# Altium PCB Archimajor.PcbDoc (part 4 of 13)
Units mil, origin at the board's own origin, x right, y up, seen from the top; angles counter-clockwise.
Board outline 7480.32 x 5511.81 mil, 6 copper layers (Top Layer, Top GND, Power Plane, Mid1, Bot GND, Bottom Layer), stack 69.913 mil thick; 1038 components, 682 nets, 3229 pads, 2870 vias.
Unrouted connection lines stored in the file: 97.
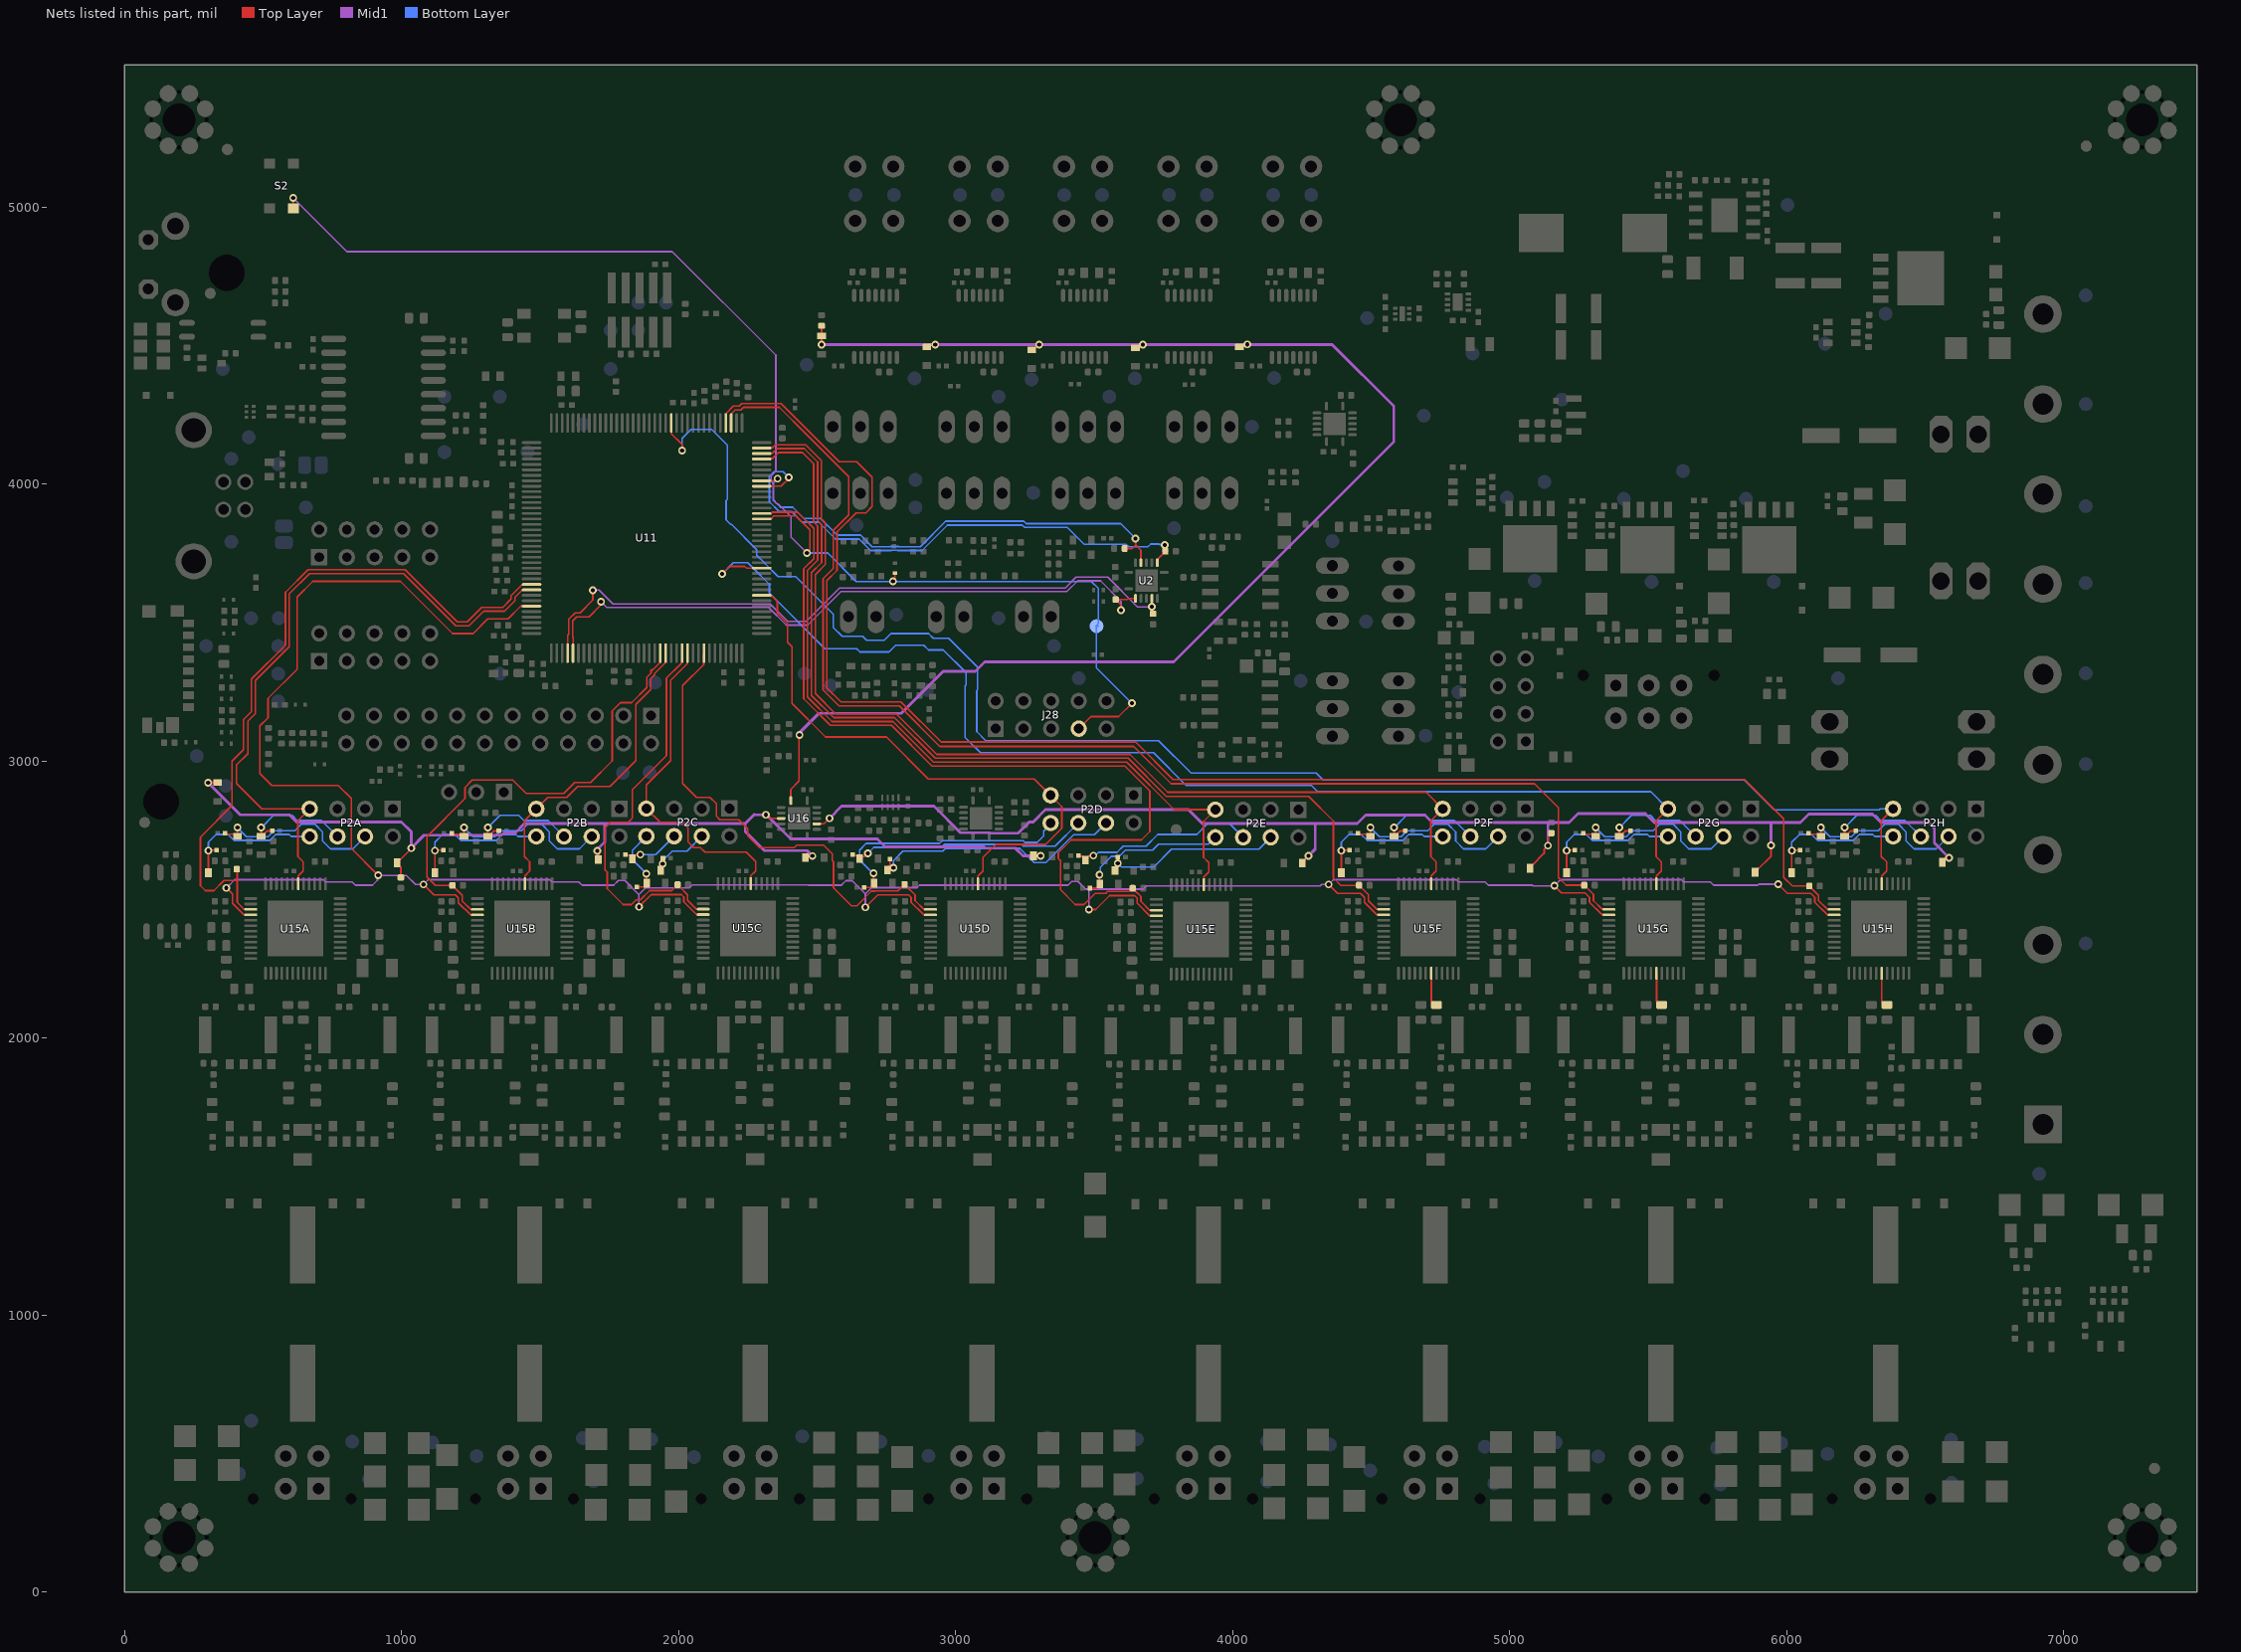
[diagram p8: the nets of this part, all layers, seen from the top]

## Via types
v1: diameter 28, hole 15, Top Layer to Bottom Layer, tented both sides, 2412 vias
v2: diameter 22, hole 10, Top Layer to Bottom Layer, 302 vias
v3: diameter 28, hole 15, Top Layer to Bottom Layer, 113 vias
v4: diameter 29, hole 15, Top Layer to Bottom Layer, tented both sides, 16 vias
v5: diameter 30, hole 15, Top Layer to Bottom Layer, 16 vias
v6: diameter 22, hole 10, Top Layer to Bottom Layer, tented both sides, 11 vias

## Nets (pads, with @x,y where several pads share a name; then routed paths per layer and width w, separated by ;. In a path a pad name is that pad's centre, name@x,y a point inside that pad or via, vN(x,y) a via of type N, cw(c..) or ccw(c..) an arc to the next point about the centre after c; other vN are vias at no path point) (continued)
CB2F: C48F.1 U15F.43 | length 126.2
  Top Layer w7: U15F.43@4716.83,2233.68 4716.83,2132.1 4730.61,2118.32 C48F.1@4735.72,2118.32
CB2G: C48G.1 U15G.43 | length 126.2
  Top Layer w7: U15G.43@5529.83,2233.68 5529.83,2132.1 5543.61,2118.32 C48G.1@5548.72,2118.32
CB2H: C48H.1 U15H.43 | length 126.2
  Top Layer w7: U15H.43@6342.83,2233.68 6342.83,2132.1 6356.61,2118.32 C48H.1@6361.72,2118.32
CS_M1BUS: D70.A D74.A D75.A D76.A D77.A R100.2 U16.4 | length 3989.4
  Top Layer w6.5: R100.2@997.75,2579.41 997.75,2615.7 991.83,2621.62 991,2621.62 984.23,2628.38 D70.A@984.23,2632.32 984.23,2636.25 992.8,2644.82 996.73,2644.82 v1@1037.33,2685.41 ; v1(2315.59,2805.49) 2317.63,2805.49 2330.43,2792.69 U16.4@2370.56,2792.69 ; D76.A@3279.25,2653.91 3283.22,2657.89 v1(3307.09,2657.89)
  Top Layer w10.1: v1(301.88,2921.63) D77.A@336.33,2921.63 ; v1(1035.15,2685.41) v1@1037.33,2685.41 ; v1(1707.29,2675.56) 1710.46,2672.38 D74.A@1710.46,2643.88 ; D75.A@2458.36,2650.94 2464.27,2656.86 v1(2482.92,2656.86)
  Mid1 w10.1: v1(301.88,2921.63) 418.03,2805.49 596.18,2805.49 621.77,2779.9 999.72,2779.9 1035.15,2744.46 v1(1035.15,2685.41) 1081.41,2731.67 1359.96,2731.67 1368.81,2740.53 1410.15,2740.53 1443.62,2773.99 1733.97,2773.99 ; v1(1707.29,2675.56) 1707.29,2680.38 1733.97,2707.06 1733.97,2773.99 ; v1(2482.92,2656.86) 2463.59,2676.18 2310.18,2676.18 2240.86,2745.5 2240.86,2773.99 ; v1@3306.81,2655.88 3304.8,2657.89 3243.17,2657.89 3215.86,2685.19 3106.85,2685.19 3102.33,2689.71 2746.27,2689.71 2718.09,2717.89 2405.23,2717.89 2317.63,2805.49 v1(2315.59,2805.49) 2274.33,2805.49 2273.34,2806.47 2240.86,2773.99 ; 1733.97,2773.99 2240.86,2773.99
CS_M2BUS: D40.A D41.A D60.A D63.A R97.2 U16.10 | length 5014.6
  Top Layer w6.5: U16.10@2498.96,2773.01 2525.31,2773.01 v1(2545,2792.69)
  Top Layer w6.55: D40.A@5074.12,2612.42 5074.12,2616.35 5080.89,2623.12 5081.13,2623.12 5124.72,2666.71 5124.72,2680.49 v1(5138.5,2694.27) 5138.5,2727.43 5141.59,2730.52 5141.59,2730.91 5149.92,2739.24 R97.2@5150.31,2739.24 ; D41.A@5886.06,2598.61 5886.06,2602.54 5894.6,2611.08 5898.54,2611.08 5943.62,2656.16 v1(5943.62,2695.25)
  Top Layer w10.1: D60.A@4251.58,2631.04 4258.35,2637.8 4258.35,2641.87 v1(4274.33,2657.85) ; D63.A@6561.73,2634.25 6561.73,2638.18 6568.49,2644.95 6572.42,2644.95 6574.56,2647.08 6582.65,2647.08 v1(6586.08,2650.51)
  Mid1 w10.1: v1(2545,2792.69) 2588.83,2836.52 2922.42,2836.52 3017.93,2741.01 3123.58,2741.01 3125.47,2739.12 3224.93,2739.12 3265.71,2779.9 3280.23,2779.9 3324.52,2824.19 3840.27,2824.19 3890.47,2773.99 4297.95,2773.99 ; v1(4274.33,2657.85) 4297.95,2681.47 4297.95,2773.99 ; v1(5138.5,2694.27) 5138.5,2776.94 5137.51,2777.93 ; v1(5943.62,2695.25) 5943.62,2776.94 5942.63,2777.93 ; v1(6586.08,2650.51) 6533.04,2703.55 6533.04,2758.15 6513.26,2777.93 6340.27,2777.93 6309.76,2808.44 6079.44,2808.44 6048.93,2777.93 5942.63,2777.93 ; 4297.95,2773.99 4449.52,2773.99 4480.03,2804.5 4694.6,2804.5 4721.18,2777.93 5137.51,2777.93 ; 5137.51,2777.93 5214.29,2777.93 5246.77,2810.41 5489.88,2810.41 5522.36,2777.93 5942.63,2777.93
CS_TCBUS: D5.A D30.A D31.A D61.A D62.A R95.2 U16.1 | length 5333.2
  Top Layer w6.5: U16.1@2405.23,2856.89 2405.23,2897.02 2435.03,2926.82 2435.03,3092.17 v1(2436.73,3093.87)
  Top Layer w6.55: v1(2516.33,4503.32) D61.A@2516.33,4534.82 R95.2@2516.33,4570.94 ; D30.A@2896.25,4495.46 2904.13,4503.34 v1(2926.76,4503.34) ; D31.A@3275.19,4483.64 3282.08,4483.64 v1(3301.77,4503.32) ; D5.A@3649.21,4491.51 3664.09,4491.51 v1(3675.9,4503.32) ; D62.A@4024.21,4494.46 4028.07,4498.33 4047.18,4498.33 v1(4052.64,4503.79)
  Mid1 w6.55: v1(2926.76,4503.34) v1@2928.73,4505.31
  Mid1 w10.1: v1(2436.73,3093.87) 2436.73,3101.75 2506.61,3171.63 2803.85,3171.63 2955.53,3323.31 3070.69,3323.31 3105.03,3357.65 3787.14,3357.65 4582.12,4152.63 4582.12,4280.5 4359.29,4503.32 4052.64,4503.32 3682.67,4503.32 v1(3675.9,4503.32) v1(3301.77,4503.32) 2927.75,4503.32 v1@2510.43,4503.32
DIAG1: R108A.2 U11.63 U15A.27 | length 2587.1
  Top Layer w6: R108A.2@405.13,2609.29 407.38,2607.05 407.38,2566.97 ; U15A.27@456,2463.99 431.65,2463.99 421.38,2474.27 421.38,2475.55 407.38,2489.55 407.38,2566.97 ; U11.63@1469.65,3637.31 1436.08,3637.31 1395.21,3596.44 1395.21,3584.22 1365.61,3554.62 1289.09,3554.62 1237,3502.53 1201.2,3502.53 1013.2,3690.53 662.4,3690.53 581,3609.13 581,3418.13 458.58,3295.71 458.58,3177.96 429.61,3148.99 429.61,3040.24 388.78,2999.41 388.78,2839.96 274,2725.18 274,2549.78 292.24,2531.54 322.83,2531.54 359.6,2568.31 406.04,2568.31 407.38,2566.97
DIAG2: R108B.2 U11.93 U15B.27 | length 1721.7
  Top Layer w6: U15B.27@1273.91,2463.99 1249.57,2463.99 1219.63,2493.93 1219.63,2514.28 1192.68,2541.24 1192.43,2541.24 1183.68,2549.99 R108B.2@1183.68,2550.24 1122.95,2550.24 1091.91,2581.28 1091.91,2726.94 1229.16,2864.18 1229.16,2904.75 1255.91,2931.5 1401.57,2931.5 1449.8,2883.27 1585.63,2883.27 1624.89,2922.53 1682.96,2922.53 1760.47,3000.04 1760.47,3180.31 1790.2,3210.04 1830.47,3210.04 1885.06,3264.63 1885.06,3301.68 1900.53,3317.15 1900.53,3327.56 1901.81,3328.84 1907.23,3328.84 1930.43,3352.05 1930.43,3353.94 1934.21,3357.72 U11.93@1934.21,3389.28
DIAG3: R108C.2 U11.97 U15C.27 | length 1455.2
  Top Layer w6: R108C.2@1996.67,2553.19 R108C.2@1996.67,2552.95 ; U11.97@2012.95,3389.28 2012.95,3357.72 2009.17,3353.94 2009.17,3351.59 1956.53,3298.94 1956.53,3018.82 1833.95,2896.24 1833.95,2842.65 1833.15,2841.85 1833.15,2793.62 1818.67,2779.14 1754.37,2779.14 1734.46,2759.23 1734.46,2606.13 1742.52,2598.07 1742.52,2539.19 1800.37,2481.34 1829.72,2481.34 1846.85,2498.46 1862.41,2498.46 1895.43,2531.49 1974.97,2531.49 1987.67,2544.19 1987.91,2544.19 R108C.2@1996.67,2552.95 ; U15C.27@2089.18,2464.95 2064.84,2464.95 2033.08,2496.71 2033.08,2516.78 2005.67,2544.19 2005.43,2544.19 R108C.2@1996.67,2552.95
DIAG4: R108D.2 U11.101 U15D.27 | length 1779.7
  Top Layer w6: U11.101@2091.69,3389.28 2090.96,3388.55 2090.96,3348.02 2014.92,3271.98 2014.92,2918.24 2064.51,2868.65 2113.72,2868.65 2136.53,2845.84 2136.53,2800.95 2149.89,2787.6 2217.53,2787.6 2249.74,2755.38 2249.74,2729.12 2291.86,2687.01 2417.84,2687.01 2426.69,2695.86 2523.79,2695.86 2555.04,2664.61 2555.04,2664.41 2555.12,2664.33 2555.12,2640.55 2559.22,2636.45 2559.22,2542.09 2623.92,2477.39 2643.78,2477.39 2696.1,2529.7 2706.59,2529.7 2707.41,2530.53 2791.92,2530.53 2806.57,2545.17 2806.81,2545.17 R108D.2@2815.57,2553.93 ; R108D.2@2815.57,2554.17 R108D.2@2815.57,2553.93 ; U15D.27@2909.74,2463.99 2885.39,2463.99 2853.64,2495.75 2853.64,2516.1 2824.57,2545.17 2824.32,2545.17 R108D.2@2815.57,2553.93
DIAG5: R108E.2 U11.131 U15E.27 | length 3313.6
  Top Layer w6: U11.131@2300.35,3893.21 2333.69,3893.21 2338.48,3898.01 2429.84,3898.01 2488.23,3839.61 2488.23,3730.14 2451.79,3693.69 2451.79,3224.73 2548.29,3128.23 2768.25,3128.23 2914.68,2981.8 3611.8,2981.8 3701.49,2892.11 3701.49,2745.45 3670.98,2714.94 3417.51,2714.94 3371.18,2668.6 3371.18,2647.89 3378.49,2640.57 3378.49,2535.11 3432.26,2481.34 3462.99,2481.34 3503.7,2522.05 3542.09,2522.05 3548.62,2528.58 3627.82,2528.58 R108E.2@3639.39,2540.15 ; R108E.2@3639.39,2540.39 R108E.2@3639.39,2540.15 ; U15E.27@3725.01,2461.02 3700.66,2461.02 3668.91,2492.77 3668.91,2510.87 3648.39,2531.39 3648.14,2531.39 R108E.2@3639.39,2540.15
DIAG6: R108F.2 U11.142 U15F.27 | length 3611.4
  Top Layer w6: U11.142@2300.35,4109.75 2301.08,4110.48 2338.02,4110.48 2355.03,4127.49 2453.44,4127.49 2501.99,4078.94 2501.99,3868.13 2516.23,3853.88 2516.23,3716.53 2479.79,3680.09 2479.79,3236.91 2480.1,3236.91 2560.78,3156.23 2779.85,3156.23 2926.28,3009.8 3623.4,3009.8 3760.78,2872.42 4274.33,2872.42 4363.57,2783.18 4363.57,2578.32 4390.91,2550.98 R108F.2@4456.31,2550.98 ; R108F.2@4456.31,2551.22 R108F.2@4456.31,2550.98 ; U15F.27@4545.57,2463.99 4521.22,2463.99 4490.08,2495.13 4490.08,2517.46 4465.31,2542.22 4465.07,2542.22 R108F.2@4456.31,2550.98
DIAG7: R108G.2 U11.3 U15G.27 | length 4705.2
  Top Layer w6: U11.3@2190.12,4219.98 2190.12,4253.32 2203.91,4267.11 2225.1,4267.11 2234,4276.01 2235.58,4276.01 2236.1,4276.53 2363.8,4276.53 2460.09,4180.23 2460.35,4180.23 2614,4026.58 2614,3888.53 2558.23,3832.76 2558.23,3694.89 2521.79,3658.45 2521.79,3255.93 2579.49,3198.23 2797.24,3198.23 2942.91,3052.56 3643.45,3052.56 3778.32,2917.69 5090.27,2917.69 5176.57,2831.4 5176.57,2578.78 5204.13,2551.22 R108G.2@5269.31,2551.22 5269.31,2550.98 5278.06,2542.22 5278.31,2542.22 5302.46,2518.06 5302.46,2495.75 5334.22,2463.99 U15G.27@5358.57,2463.99
DIAG8: R108H.2 U11.4 U15H.27 | length 5638.5
  Top Layer w6: U11.4@2170.43,4219.98 2170.43,4253.43 2198.11,4281.11 2219.1,4281.11 2228,4290.01 2229.78,4290.01 2230.3,4290.53 2369.85,4290.53 2580.13,4080.25 2643.28,4080.25 2699,4024.53 2699,3918.53 2676,3895.53 2640.8,3895.53 2572.23,3826.96 2572.23,3687.68 2535.79,3651.24 2535.79,3263.58 2586.38,3212.99 2803.15,3212.99 2947.83,3068.31 3649.97,3068.31 3784.84,2933.44 5847.16,2933.44 5989.57,2791.03 5989.57,2579.76 6020.82,2548.51 6081.31,2548.51 R108H.2@6081.31,2548.27 6081.31,2548.03 6090.07,2539.27 6090.31,2539.27 6115.46,2514.12 6115.46,2495.75 6147.22,2463.99 U15H.27@6171.57,2463.99
DIR1: P2A.7 U11.64 U15A.18 | length 2413.3
  Top Layer w6: U15A.18@627.26,2556.51 627.26,2584.46 644.9,2602.11 644.9,2636 625.98,2654.92 625.98,2784.45 P2A.7@668.7,2827.17 495.83,2827.17 404.53,2918.46 404.53,2985.63 445.35,3026.46 445.35,3143.88 472.58,3171.11 472.58,3289.91 595,3412.33 595,3603.33 668.2,3676.53 1007.4,3676.53 1195.92,3488.01 1243.48,3488.01 1296.09,3540.62 1371.61,3540.62 1409.21,3578.22 1409.21,3590.64 1436.2,3617.62 U11.64@1469.65,3617.62
DIR2: P2B.7 U11.94 U15B.18 | length 1167.3
  Top Layer w6: U15B.18@1445.17,2556.51 1445.17,2584.46 1462.82,2602.11 1462.82,2636 1443.9,2654.92 1443.9,2784.45 P2B.7@1486.61,2827.17 1527.95,2868.5 1596.46,2868.5 1636.05,2908.09 1752.19,2908.09 1845.7,3001.61 1845.7,3204.06 1899.61,3257.96 1899.61,3296.43 1914.53,3311.35 1914.53,3316.34 1950.12,3351.93 1950.12,3353.94 1953.9,3357.72 U11.94@1953.9,3389.28
DIR3: P2C.7 U11.98 U15C.18 | length 1212.2
  Top Layer w6: U11.98@2032.64,3389.28 2032.64,3351.93 1971.53,3290.82 1971.53,3001.17 1883.97,2913.61 P2C.7@1883.97,2828.12 1933.78,2778.32 2013.3,2778.32 2033.97,2757.65 2033.97,2707.46 2053.83,2687.6 2078.36,2687.6 2094.91,2671.04 2244.01,2671.04 2278.09,2636.96 2278.09,2603.07 2260.44,2585.42 U15C.18@2260.44,2557.47
DIR4: P2D.7 U11.116 U15D.18 | length 2093.5
  Top Layer w6: U11.116@2300.35,3597.94 2331.91,3597.94 2335.69,3594.16 2338.85,3594.16 2356.92,3576.09 2356.92,3532.35 2393.51,3495.75 2393.51,3428.39 2409.79,3412.12 2409.79,3207.34 2530.9,3086.23 2750.85,3086.23 2902.04,2935.04 3283.95,2935.04 P2D.7@3343.03,2875.96 3383.55,2835.43 3383.55,2757.24 3325.13,2698.81 3145.52,2698.81 3098.64,2651.93 3098.64,2602.11 3081,2584.46 U15D.18@3081,2556.51
DIR5: P2E.7 U11.141 U15E.18 | length 3021.4
  Top Layer w6: U11.141@2300.35,4090.06 2301.08,4090.79 2338.14,4090.79 2360.83,4113.49 2447.64,4113.49 2487.99,4073.14 2487.99,3862.33 2502.23,3848.09 2502.23,3724.34 2465.79,3687.89 2465.79,3230.53 2554.09,3142.23 2774.05,3142.23 2920.48,2995.8 3617.6,2995.8 3789.21,2824.19 P2E.7@3937.71,2824.19 3895,2781.47 3895,2651.94 3913.91,2633.03 3913.91,2599.13 3896.27,2581.49 U15E.18@3896.27,2553.53
DIR6: P2F.7 U11.143 U15F.18 | length 3847.1
  Top Layer w6: U11.143@2300.35,4129.43 2301.08,4130.16 2337.91,4130.16 2349.23,4141.49 2459.24,4141.49 2515.99,4084.74 2515.99,3873.92 2530.23,3859.68 2530.23,3709.32 2493.79,3672.88 2493.79,3243.02 2566.58,3170.23 2785.65,3170.23 2932.08,3023.8 3629.2,3023.8 3765.81,2887.18 4698.25,2887.18 P2F.7@4758.27,2827.17 4715.55,2784.45 4715.55,2654.92 4734.47,2636 4734.47,2602.11 4716.83,2584.46 U15F.18@4716.83,2556.51
DIR7: P2G.7 U11.121 U15G.18 | length 4440
  Top Layer w6: v1(2157.09,3674.86) 2184.24,3702.01 2239.65,3702.01 2245.3,3696.36 U11.121@2300.35,3696.36 ; U15G.18@5529.83,2556.51 5529.83,2584.46 5547.47,2602.11 5547.47,2636 5528.55,2654.92 5528.55,2784.45 P2G.7@5571.27,2827.17
  Bottom Layer w6: v1(2157.09,3674.86) v1(2157.09,3674.86) 2198.21,3715.92 2249.83,3715.92 2269.83,3695.92 2269.83,3695.67 2327.68,3637.82 2327.68,3606.42 2528.6,3405.51 2642.6,3405.51 2654.59,3393.53 2759.75,3393.53 2784.11,3417.88 2885.27,3417.88 2902.56,3400.59 2955.83,3400.59 3037.4,3319.03 3037.4,3274.45 3034.24,3271.29 3034.24,3084.95 3089.51,3029.68 3714.82,3029.68 3831.95,2912.55 4283.52,2912.55 4307.26,2888.81 5509.62,2888.81 P2G.7@5571.27,2827.17
DIR8: P2H.7 U11.14 U15H.18 | length 5782.6
  Top Layer w6: U11.14@1973.58,4219.98 1973.58,4181.71 2012.87,4142.42 v1(2012.87,4121.01) ; U15H.18@6342.83,2556.51 6342.83,2584.46 6360.47,2602.11 6360.47,2636 6341.55,2654.92 6341.55,2784.45 P2H.7@6384.27,2827.17
  Bottom Layer w6: v1(2012.87,4121.01) 2012.87,4164.39 2044.93,4196.46 2119.69,4196.46 2176.12,4140.03 2176.12,3944.41 2171.57,3939.86 2171.57,3869.94 2188.18,3853.32 2191.38,3853.32 2282.42,3762.28 2282.42,3742.73 2311.83,3713.32 2311.83,3713.07 2359.28,3665.62 2423.05,3665.62 2559.06,3529.62 2559.06,3481.46 2590.99,3449.53 2664.37,3449.53 2678.37,3435.53 2742.36,3435.53 2766.71,3459.88 2902.66,3459.88 2919.95,3442.59 2975.25,3442.59 3079.4,3338.45 3079.4,3257.06 3076.24,3253.89 3076.24,3105.94 3108.97,3073.2 3732.85,3073.2 3849.98,2956.08 4301.55,2956.08 4326.81,2930.81 5846.84,2930.81 5954.44,2823.2 6333.38,2823.2 6337.34,2827.17 P2H.7@6384.27,2827.17
DRV_EN: U11.67 U15A.28 U15B.28 U15C.28 U15D.28 U15E.28 U15F.28 U15G.28 U15H.28 | length 10451.5
  Top Layer w6: v1(368.03,2541.38) 389.68,2519.72 389.68,2486.16 431.54,2444.31 U15A.28@456,2444.31 ; v1(916.06,2586.98) 818.62,2684.42 818.62,2864.54 771.37,2911.79 532.2,2911.79 488.9,2955.09 488.9,3126.43 518.58,3156.11 518.58,3226.17 623,3330.59 623,3591.73 679.8,3648.53 995.8,3648.53 1184.32,3460.01 1258.74,3460.01 1311.35,3512.62 1384.67,3512.62 1430.61,3558.57 U11.67@1469.65,3558.57 ; v1(1079.65,2554.17) 1117.29,2516.53 1194.79,2516.53 1205.63,2505.69 1205.63,2488.13 1249.45,2444.31 U15B.28@1273.91,2444.31 ; v1(1857.2,2473.46) 1901.23,2517.49 2010.06,2517.49 2019.08,2508.47 2019.08,2490.91 2064.72,2445.27 U15C.28@2089.18,2445.27 ; v1(2674.13,2471.5) 2719.16,2516.53 2830.62,2516.53 2839.64,2507.51 2839.64,2489.95 2885.28,2444.31 U15D.28@2909.74,2444.31 ; v1(3481.22,2463.62) 3505.83,2463.62 3555.75,2513.55 3646.43,2513.55 3654.91,2505.07 3654.91,2486.97 3700.55,2441.33 U15E.28@3725.01,2441.33 ; v1(4346.38,2554.17) 4378.86,2521.69 4461.28,2521.69 4475.46,2507.51 4475.46,2489.95 4521.11,2444.31 U15F.28@4545.57,2444.31 ; v1(5161.34,2549.25) 5186.93,2523.66 5272.31,2523.66 5288.46,2507.51 5288.46,2489.95 5334.11,2444.31 U15G.28@5358.57,2444.31 ; v1(5969.41,2555.16) 6002.87,2521.69 6087.28,2521.69 6101.46,2507.51 6101.46,2489.95 6147.11,2444.31 U15H.28@6171.57,2444.31
  Mid1 w6: v1(368.03,2541.38) 397.91,2571.26 717.52,2571.26 725.86,2562.92 821.84,2562.92 833.56,2551.2 895.39,2551.2 913.35,2569.16 913.35,2584.28 v1(916.06,2586.98) 1017.64,2586.98 1050.45,2554.17 v1(1079.65,2554.17) 1096.73,2571.26 1535.43,2571.26 1543.77,2562.92 1639.75,2562.92 1651.48,2551.2 1766.21,2551.2 1783.68,2568.66 1806.03,2568.66 1857.2,2517.49 ; v1(1857.2,2473.46) 1857.2,2517.49 ; 2469.39,2551.2 2588.2,2551.2 2590.17,2553.17 2590.17,2553.64 2604.23,2567.7 2626.59,2567.7 2674.13,2520.16 ; 2519.68,2552.16 2049.54,2552.16 2038.66,2541.28 1880.99,2541.28 1857.2,2517.49 ; v1(2674.13,2471.5) 2674.13,2520.16 ; v1(3481.22,2463.62) 3481.22,2537.34 ; v1(5969.41,2555.16) 5899.81,2555.16 5895.85,2551.2 5736.13,2551.2 5724.4,2562.92 5628.42,2562.92 5620.09,2571.26 5183.35,2571.26 v1(5161.34,2549.25) 5084.79,2549.25 5082.85,2551.2 4923.13,2551.2 4911.4,2562.92 4815.42,2562.92 4807.09,2571.26 4363.46,2571.26 v1(4346.38,2554.17) 4321.77,2554.17 4315.82,2548.22 3687.68,2548.22 3676.8,2537.34 3481.22,2537.34 ; 2674.13,2520.16 2696.36,2542.39 2861.28,2542.39 2870.09,2551.2 3405.98,2551.2 3419.5,2564.72 3441.86,2564.72 3469.25,2537.34 3481.22,2537.34
ENCAA: D12A.K P2A.4 RV5A.1 | length 646.5
  Top Layer w6: RV5A.1@363.19,2738.58 366.14,2735.63 400.7,2735.63 D12A.K@407.97,2728.36 v1(407.97,2759.25)
  Bottom Layer w6: v1(407.97,2759.25) 440.45,2726.77 518.7,2726.77 540.46,2748.53 615.26,2748.53 637.57,2770.84 688.21,2770.84 715.55,2743.5 715.55,2711.02 744.09,2682.48 824.02,2682.48 P2A.4@868.7,2727.17
ENCAB: D12B.K P2B.4 RV5B.1 | length 646.5
  Top Layer w6: RV5B.1@1181.1,2738.58 1184.05,2735.63 1218.61,2735.63 D12B.K@1225.88,2728.36 v1(1225.88,2759.25)
  Bottom Layer w6: v1(1225.88,2759.25) 1258.36,2726.77 1336.61,2726.77 1358.37,2748.53 1433.17,2748.53 1455.49,2770.84 1506.13,2770.84 1533.46,2743.5 1533.46,2711.02 1562.01,2682.48 1641.93,2682.48 P2B.4@1686.61,2727.17
ENCAC: D12C.K P2C.4 RV5C.1 | length 250.2
  Top Layer w6: D12C.K@1934.37,2600.76 1934.37,2604.7 1943.22,2613.56 1942.37,2614.41 1945.79,2617.82 1942.91,2620.7 1942.91,2626.87 1942.91,2635.95 1945.79,2638.82 1942.37,2642.24 RV5C.1@1943.22,2643.09
  Bottom Layer w6: v1@1942.91,2626.87 1943.87,2626.87 1945.79,2624.95 1944.65,2623.82 1944.65,2641.76 1977.87,2674.97 2030.82,2674.97 P2C.4@2083.97,2728.12
  other v1: 1942.91,2628.84
ENCAD: D12D.K P2D.4 RV5D.1 | length 948.7
  Top Layer w6: RV5D.1@2763.78,2642.13 2763.78,2626.1 2763.7,2626.02 v1@2771.22,2618.5 ; v1(2775.63,2614.07) v1@2775.63,2617.35
  Top Layer w22: D12D.K@2754.84,2606.34 2754.84,2610.28 2755.65,2611.09 2759.59,2611.09 2761.43,2612.93 2774.48,2612.93 v1(2775.63,2614.07)
  Bottom Layer w6: v1(2775.63,2614.07) 2775.63,2639.69 2775.67,2639.65 2810.04,2674.02 2953.63,2674.02 2964.24,2684.63 3232.3,2684.63 3284.04,2632.89 3326.13,2632.89 3426.88,2733.64 3500.7,2733.64 P2D.4@3543.03,2775.96
ENCAE: D12E.K P2E.4 RV5E.1 | length 655.2
  Top Layer w6: D12E.K@3575.71,2604.37 3575.71,2608.31 3584.57,2617.17 3583.72,2618.02 3585.71,2620.01 v1(3585.71,2630.81) 3585.71,2651.59 RV5E.1@3584.7,2652.6
  Bottom Layer w6: v1(3585.71,2630.81) 3599.02,2617.5 3715.36,2617.5 3779.51,2681.65 4095.17,2681.65 P2E.4@4137.71,2724.19
ENCAF: D12F.K P2F.4 RV5F.1 | length 646.5
  Top Layer w6: RV5F.1@4452.76,2738.58 4455.71,2735.63 4490.27,2735.63 D12F.K@4497.54,2728.36 v1(4497.54,2759.25)
  Bottom Layer w6: v1(4497.54,2759.25) 4530.02,2726.77 4608.27,2726.77 4630.02,2748.53 4704.83,2748.53 4727.14,2770.84 4777.78,2770.84 4805.12,2743.5 4805.12,2711.02 4833.66,2682.48 4913.58,2682.48 P2F.4@4958.27,2727.17
ENCAG: D12G.K P2G.4 RV5G.1 | length 646.5
  Top Layer w6: RV5G.1@5265.76,2738.58 5268.71,2735.63 5303.27,2735.63 D12G.K@5310.54,2728.36 v1(5310.54,2759.25)
  Bottom Layer w6: v1(5310.54,2759.25) 5343.02,2726.77 5421.27,2726.77 5443.02,2748.53 5517.83,2748.53 5540.14,2770.84 5590.78,2770.84 5618.12,2743.5 5618.12,2711.02 5646.66,2682.48 5726.58,2682.48 P2G.4@5771.27,2727.17
ENCAH: D12H.K P2H.4 RV5H.1 | length 646.5
  Top Layer w6: RV5H.1@6078.76,2738.58 6081.71,2735.63 6116.27,2735.63 D12H.K@6123.54,2728.36 v1(6123.54,2759.25)
  Bottom Layer w6: v1(6123.54,2759.25) 6156.02,2726.77 6234.27,2726.77 6256.02,2748.53 6330.83,2748.53 6353.14,2770.84 6403.78,2770.84 6431.12,2743.5 6431.12,2711.02 6459.66,2682.48 6539.58,2682.48 P2H.4@6584.27,2727.17
ENCBA: D19A.K P2A.6 RV6A.1 | length 403.7
  Top Layer w6: D19A.K@493.6,2728.36 v1(493.6,2759.25)
  Top Layer w7: D19A.K@493.6,2728.36 496.67,2728.36 515.75,2747.44 RV6A.1@533.46,2747.44
  Bottom Layer w6: v1(493.6,2759.25) 537.89,2803.54 605.31,2803.54 624.02,2784.84 711.02,2784.84 P2A.6@768.7,2727.17
ENCBB: D19B.K P2B.6 RV6B.1 | length 403.7
  Top Layer w6: D19B.K@1311.51,2728.36 v1(1311.51,2759.25)
  Top Layer w7: D19B.K@1311.51,2728.36 1314.58,2728.36 1333.66,2747.44 RV6B.1@1351.38,2747.44
  Bottom Layer w6: v1(1311.51,2759.25) 1355.8,2803.54 1423.23,2803.54 1441.93,2784.84 1528.94,2784.84 P2B.6@1586.61,2727.17
ENCBC: D19C.K P2C.6 RV6C.1 | length 218.2
  Top Layer w6: RV6C.1@1807.4,2662.77 1810.32,2659.84 1821.15,2659.84 1821.22,2659.77 1825.16,2659.77 D19C.K@1833.97,2650.96 ; D19C.K@1833.38,2646.43 1833.38,2650.37 1842.19,2659.18 1844.16,2659.18 1846.18,2661.2 1860.94,2661.2 v1(1861.92,2662.18)
  Bottom Layer w6: v1(1861.92,2662.18) 1918.03,2662.18 P2C.6@1983.97,2728.12
ENCBD: D19D.K P2D.6 RV6D.1 | length 887.1
  Top Layer w6: RV6D.1@2627.95,2661.81 2630.88,2658.88 2641.71,2658.88 2641.78,2658.81 2645.72,2658.81 D19D.K@2654.53,2650 ; D19D.K@2653.94,2645.47 D19D.K@2653.94,2647.44 2653.94,2649.41 D19D.K@2654.53,2650 ; v1(2682.99,2666.38) 2682.99,2661.73 2680.67,2664.06 2671.18,2654.57 2659.09,2654.57 D19D.K@2654.53,2650
  Bottom Layer w6: v1(2682.99,2666.38) 2704.63,2688.02 2947.83,2688.02 2958.44,2698.63 3238.1,2698.63 3244.83,2691.89 3358.96,2691.89 P2D.6@3443.03,2775.96
ENCBE: D19E.K P2E.6 RV6E.1 | length 676.6
  Top Layer w6: RV6E.1@3443.22,2658.83 3446.15,2655.91 3456.98,2655.91 3457.05,2655.83 3460.99,2655.83 D19E.K@3469.8,2647.02 ; D19E.K@3469.21,2642.5 3469.21,2646.43 D19E.K@3469.8,2647.02 ; v1(3497.75,2658.24) 3496.77,2657.26 3482,2657.26 3479.99,2655.24 3478.02,2655.24 D19E.K@3469.8,2647.02
  Bottom Layer w6: v1(3497.75,2658.24) 3503.7,2658.24 3515.27,2669.81 3583.08,2669.81 3605.57,2692.3 3687.71,2692.3 3730.03,2734.62 3870.78,2734.62 3909.17,2773.01 3988.89,2773.01 P2E.6@4037.71,2724.19
ENCBF: D19F.K P2F.6 RV6F.1 | length 403.7
  Top Layer w6: D19F.K@4583.16,2728.36 v1(4583.16,2759.25)
  Top Layer w7: D19F.K@4583.16,2728.36 4586.24,2728.36 4605.31,2747.44 RV6F.1@4623.03,2747.44
  Bottom Layer w6: v1(4583.16,2759.25) 4627.46,2803.54 4694.88,2803.54 4713.58,2784.84 4800.59,2784.84 P2F.6@4858.27,2727.17
ENCBG: D19G.K P2G.6 RV6G.1 | length 403.7
  Top Layer w6: D19G.K@5396.16,2728.36 v1(5396.16,2759.25)
  Top Layer w7: D19G.K@5396.16,2728.36 5399.24,2728.36 5418.31,2747.44 RV6G.1@5436.03,2747.44
  Bottom Layer w6: v1(5396.16,2759.25) 5440.46,2803.54 5507.88,2803.54 5526.58,2784.84 5613.59,2784.84 P2G.6@5671.27,2727.17
ENCBH: D19H.K P2H.6 RV6H.1 | length 403.7
  Top Layer w6: D19H.K@6209.16,2728.36 v1(6209.16,2759.25)
  Top Layer w7: D19H.K@6209.16,2728.36 6212.24,2728.36 6231.31,2747.44 RV6H.1@6249.03,2747.44
  Bottom Layer w6: v1(6209.16,2759.25) 6253.46,2803.54 6320.88,2803.54 6339.58,2784.84 6426.59,2784.84 P2H.6@6484.27,2727.17
ENCNA: D20A.K P2A.8 RV7A.1 | length 539.6
  Top Layer w6: D20A.K@302.94,2595.88 v1(302.94,2676.36) 304.13,2677.56 RV7A.1@332.68,2677.56
  Bottom Layer w6: v1(302.94,2676.36) 302.94,2706.87 330.71,2734.65 374.02,2734.65 395.89,2712.77 524.5,2712.77 546.26,2734.53 594.76,2734.53 602.12,2727.17 P2A.8@668.7,2727.17
ENCNB: D20B.K P2B.8 RV7B.1 | length 539.6
  Top Layer w6: D20B.K@1120.85,2595.88 v1(1120.85,2676.36) 1122.05,2677.56 RV7B.1@1150.59,2677.56
  Bottom Layer w6: v1(1120.85,2676.36) 1120.85,2706.87 1148.62,2734.65 1191.93,2734.65 1213.8,2712.77 1342.41,2712.77 1364.17,2734.53 1412.67,2734.53 1420.03,2727.17 P2B.8@1486.61,2727.17
ENCNC: D20C.K P2C.8 RV7C.1 | length 270.2
  Top Layer w6: RV7C.1@1849.72,2544.66 1880.23,2544.66 1885.15,2549.58 1883.18,2551.55 1883.56,2551.92 v1(1883.56,2593.28) 1883.56,2598.42 v1@1883.18,2598.79
  Bottom Layer w6: P2C.8@1883.97,2728.12 1833.18,2677.34 1833.18,2643.65 v1(1883.56,2593.28) 1883.56,2594.25 v1@1886.83,2597.52
ENCND: D20D.K P2D.8 RV7D.1 | length 930.8
  Top Layer w6: RV7D.1@2670.28,2543.7 2700.79,2543.7 D20D.K@2705.71,2548.62 ; v1(2703.77,2594.39) 2703.77,2559.73 2704.03,2559.47 2703.66,2559.09 D20D.K@2705.63,2557.13
  Bottom Layer w6: v1@2704.11,2592.32 2653.74,2642.69 2653.74,2678.46 2677.29,2702.02 2942.03,2702.02 2952.65,2712.63 3243.9,2712.63 3250.63,2705.89 3294.61,2705.89 3317.78,2729.06 3317.78,2746.72 3343.03,2771.97 P2D.8@3343.03,2775.96
ENCNE: D20E.K P2E.8 RV7E.1 | length 571.7
  Top Layer w6: RV7E.1@3485.55,2540.72 3512.12,2540.72 3519.38,2547.99 v1(3519.38,2589.34) 3519.38,2594.48 v1@3519.01,2594.86
  Bottom Layer w6: v1(3519.38,2589.34) 3522.94,2592.89 3522.94,2616.11 3562.64,2655.81 3590.73,2655.81 3613.11,2678.19 3711.44,2678.19 3732.44,2699.19 3912.71,2699.19 P2E.8@3937.71,2724.19
ENCNF: D20F.K P2F.8 RV7F.1 | length 539.6
  Top Layer w6: D20F.K@4392.5,2595.88 v1(4392.5,2676.36) 4393.7,2677.56 RV7F.1@4422.24,2677.56
  Bottom Layer w6: v1(4392.5,2676.36) 4392.5,2706.87 4420.28,2734.65 4463.58,2734.65 4485.46,2712.77 4614.07,2712.77 4635.82,2734.53 4684.32,2734.53 4691.68,2727.17 P2F.8@4758.27,2727.17
ENCNG: D20G.K P2G.8 RV7G.1 | length 539.6
  Top Layer w6: D20G.K@5205.5,2595.88 v1(5205.5,2676.36) 5206.7,2677.56 RV7G.1@5235.24,2677.56
  Bottom Layer w6: v1(5205.5,2676.36) 5205.5,2706.87 5233.28,2734.65 5276.58,2734.65 5298.46,2712.77 5427.07,2712.77 5448.82,2734.53 5497.32,2734.53 5504.68,2727.17 P2G.8@5571.27,2727.17
ENCNH: D20H.K P2H.8 RV7H.1 | length 539.6
  Top Layer w6: D20H.K@6018.5,2595.88 v1(6018.5,2676.36) 6019.7,2677.56 RV7H.1@6048.24,2677.56
  Bottom Layer w6: v1(6018.5,2676.36) 6018.5,2706.87 6046.28,2734.65 6089.58,2734.65 6111.46,2712.77 6240.07,2712.77 6261.82,2734.53 6310.32,2734.53 6317.68,2727.17 P2H.8@6384.27,2727.17
ERASE: D1.C J28.7 S2.3 TP54.1 U11.130 | length 4925.2
  Top Layer w6: v1(609.28,5032.2) 609.28,4996.04 S2.3@610.24,4995.08 ; U11.130@2300.35,3873.53 2333.8,3873.53 2344.28,3884.01 2424.04,3884.01 2474.23,3833.82 2474.23,3761.41 v1(2463.23,3750.41) ; v1(2774.33,3648.01) 2780.79,3654.47 D1.C@2780.79,3678.39 ; J28.7@3444.76,3116.39 3488.2,3159.82 3588.3,3159.82 v1(3636.53,3208.05)
  Mid1 w6: v1@608.3,5033.18 v1(609.28,5032.2) 802.98,4838.5 1977.54,4838.5 2351.1,4464.94 2351.1,4046.33 2333.76,4028.99 2333.76,4009.11 2342.85,4000.02 2342.85,3941.6 2356.9,3927.54 2359.95,3927.54 2405.61,3881.88 2405.61,3808.04 v1(2463.23,3750.41)
  Bottom Layer w6: v1(2463.23,3750.41) 2538.32,3750.41 2640.73,3648.01 v1(2774.33,3648.01) 3490.86,3648.01 3515.65,3623.22 3515.65,3495.69 TP54.1@3506.57,3486.61 ; TP54.1@3514.52,3486.61 TP54.1@3508.86,3486.61 3508.86,3335.72 v1(3636.53,3208.05)
FAN1: R183.1 U2.12 U11.137 | length 1735.2
  Top Layer w6: U11.137@2300.35,4011.32 2344.42,4011.32 2354.63,4021.53 v1@2364,4021.53 ; R183.1@3610.35,3766.93 3637.34,3766.93 3649.62,3779.21 3649.62,3780.41 ; v1(3649.62,3803.03) 3649.62,3780.41 ; U2.12@3669.24,3715.31 3669.24,3760.78 3649.62,3780.41
  Bottom Layer w6: v1(2357.76,4019.05) 2341.85,4003.14 2341.85,3941.18 2367.4,3915.63 2412.28,3915.63 2451.89,3876.01 2511.72,3876.01 2572.64,3815.09 2657.22,3815.09 2698.65,3773.67 2762.77,3773.67 2763.32,3774.21 2796.04,3774.21 2796.58,3773.67 2873.01,3773.67 2964.81,3865.47 3246.63,3865.47 3255.43,3856.67 3595.98,3856.67 v1(3649.62,3803.03)
FAN2: R182.1 U2.9 U11.136 | length 1948
  Top Layer w6: U11.136@2300.35,3991.64 2369.94,3991.64 2398.27,4019.96 v1(2398.27,4024.05) ; U2.9@3728.3,3715.31 3728.3,3726.9 3730.81,3729.41 3730.81,3729.77 3734.33,3733.29 3734.47,3733.29 3757.4,3756.21 R182.1@3757.4,3757.26 ; v1(3754.63,3778.96) v1@3754.63,3780.87
  Top Layer w20: v1(3754.63,3778.96) 3754.63,3776.79 3756.4,3775.03 3756.4,3757.21 R182.1@3757.4,3756.21
  Bottom Layer w6: v1(2398.27,4024.05) 2397.73,4024.05 2377.73,4044.05 2344.84,4044.05 2327.85,4027.06 2327.85,3935.38 2362.49,3900.74 2407.34,3900.74 2446.07,3862.01 2505.92,3862.01 2566.84,3801.09 2651.42,3801.09 2692.85,3759.67 2768.57,3759.67 2769.12,3760.21 2790.24,3760.21 2790.78,3759.67 2878.81,3759.67 2970.61,3851.47 3240.83,3851.47 3249.63,3842.67 3403.55,3842.67 3464.33,3781.89 3615.25,3781.89 3624.54,3772.61 3694.2,3772.61 3704.88,3783.29 3734.47,3783.29 3736.45,3781.31 3752.28,3781.31 v1(3754.63,3778.96)
Fan3: R171.1 U2.5 U11.76 | length 2507.6
  Top Layer w6: U11.76@1599.57,3389.28 1599.57,3453.31 1604,3457.74 1604,3511.68 1626.85,3534.53 1644.37,3534.53 1690.94,3581.1 v1(1690.94,3616.54) ; U2.5@3708.61,3586.91 v1(3708.61,3556.47) 3708.61,3535.19 R171.1@3712.72,3531.08
  Mid1 w6: v1(1690.94,3616.54) 1713.58,3616.54 1763.1,3567.02 2331.18,3567.02 2394.64,3503.55 2460.6,3503.55 2581.05,3624.01 3395.99,3624.01 3435,3663.02 3549.67,3663.02 3656.22,3556.47 v1(3708.61,3556.47)
Fan4: R101.1 U2.2 U11.77 | length 2412.8
  Top Layer w6: U11.77@1619.25,3389.28 1619.25,3446.92 1618,3448.17 1618,3505.88 1632.64,3520.53 1676.63,3520.53 1719.49,3563.39 1719.49,3573.3 v1(1720.56,3574.37) ; R101.1@3577.75,3582.72 R101.1@3577.99,3582.72 ; v1(3597.16,3544.66) 3596.32,3545.5 3596.32,3564.15 3586.75,3573.72 3586.75,3573.96 R101.1@3577.99,3582.72 ; U2.2@3649.56,3586.91 3624.64,3586.91 3620.46,3582.72 R101.1@3577.99,3582.72
  Mid1 w6: v1(1720.56,3574.37) 1740.91,3554.02 2325.79,3554.02 2389.26,3490.55 2466.3,3490.55 2586.75,3611.01 3401.7,3611.01 3440.66,3649.98 3523.34,3649.98 3597.16,3576.16 v1(3597.16,3544.66)